# Altium PCB RK_NVR_DEMO1_RK3588_LP4XD200P232SD8_V21_20211228_final_lint.PcbDoc (part 14 of 29)
Units mm, origin at the board's own origin, x right, y up, seen from the top; angles counter-clockwise.
Board outline 170.08 x 169.98 mm, 8 copper layers (TOP, L2-GND1, L3-POWER1, L4-S1, L5-GND2, L6-S2, L7-GND3, BOTTOM), stack 2.118 mm thick; 1650 components, 1119 nets, 6165 pads, 15417 vias.
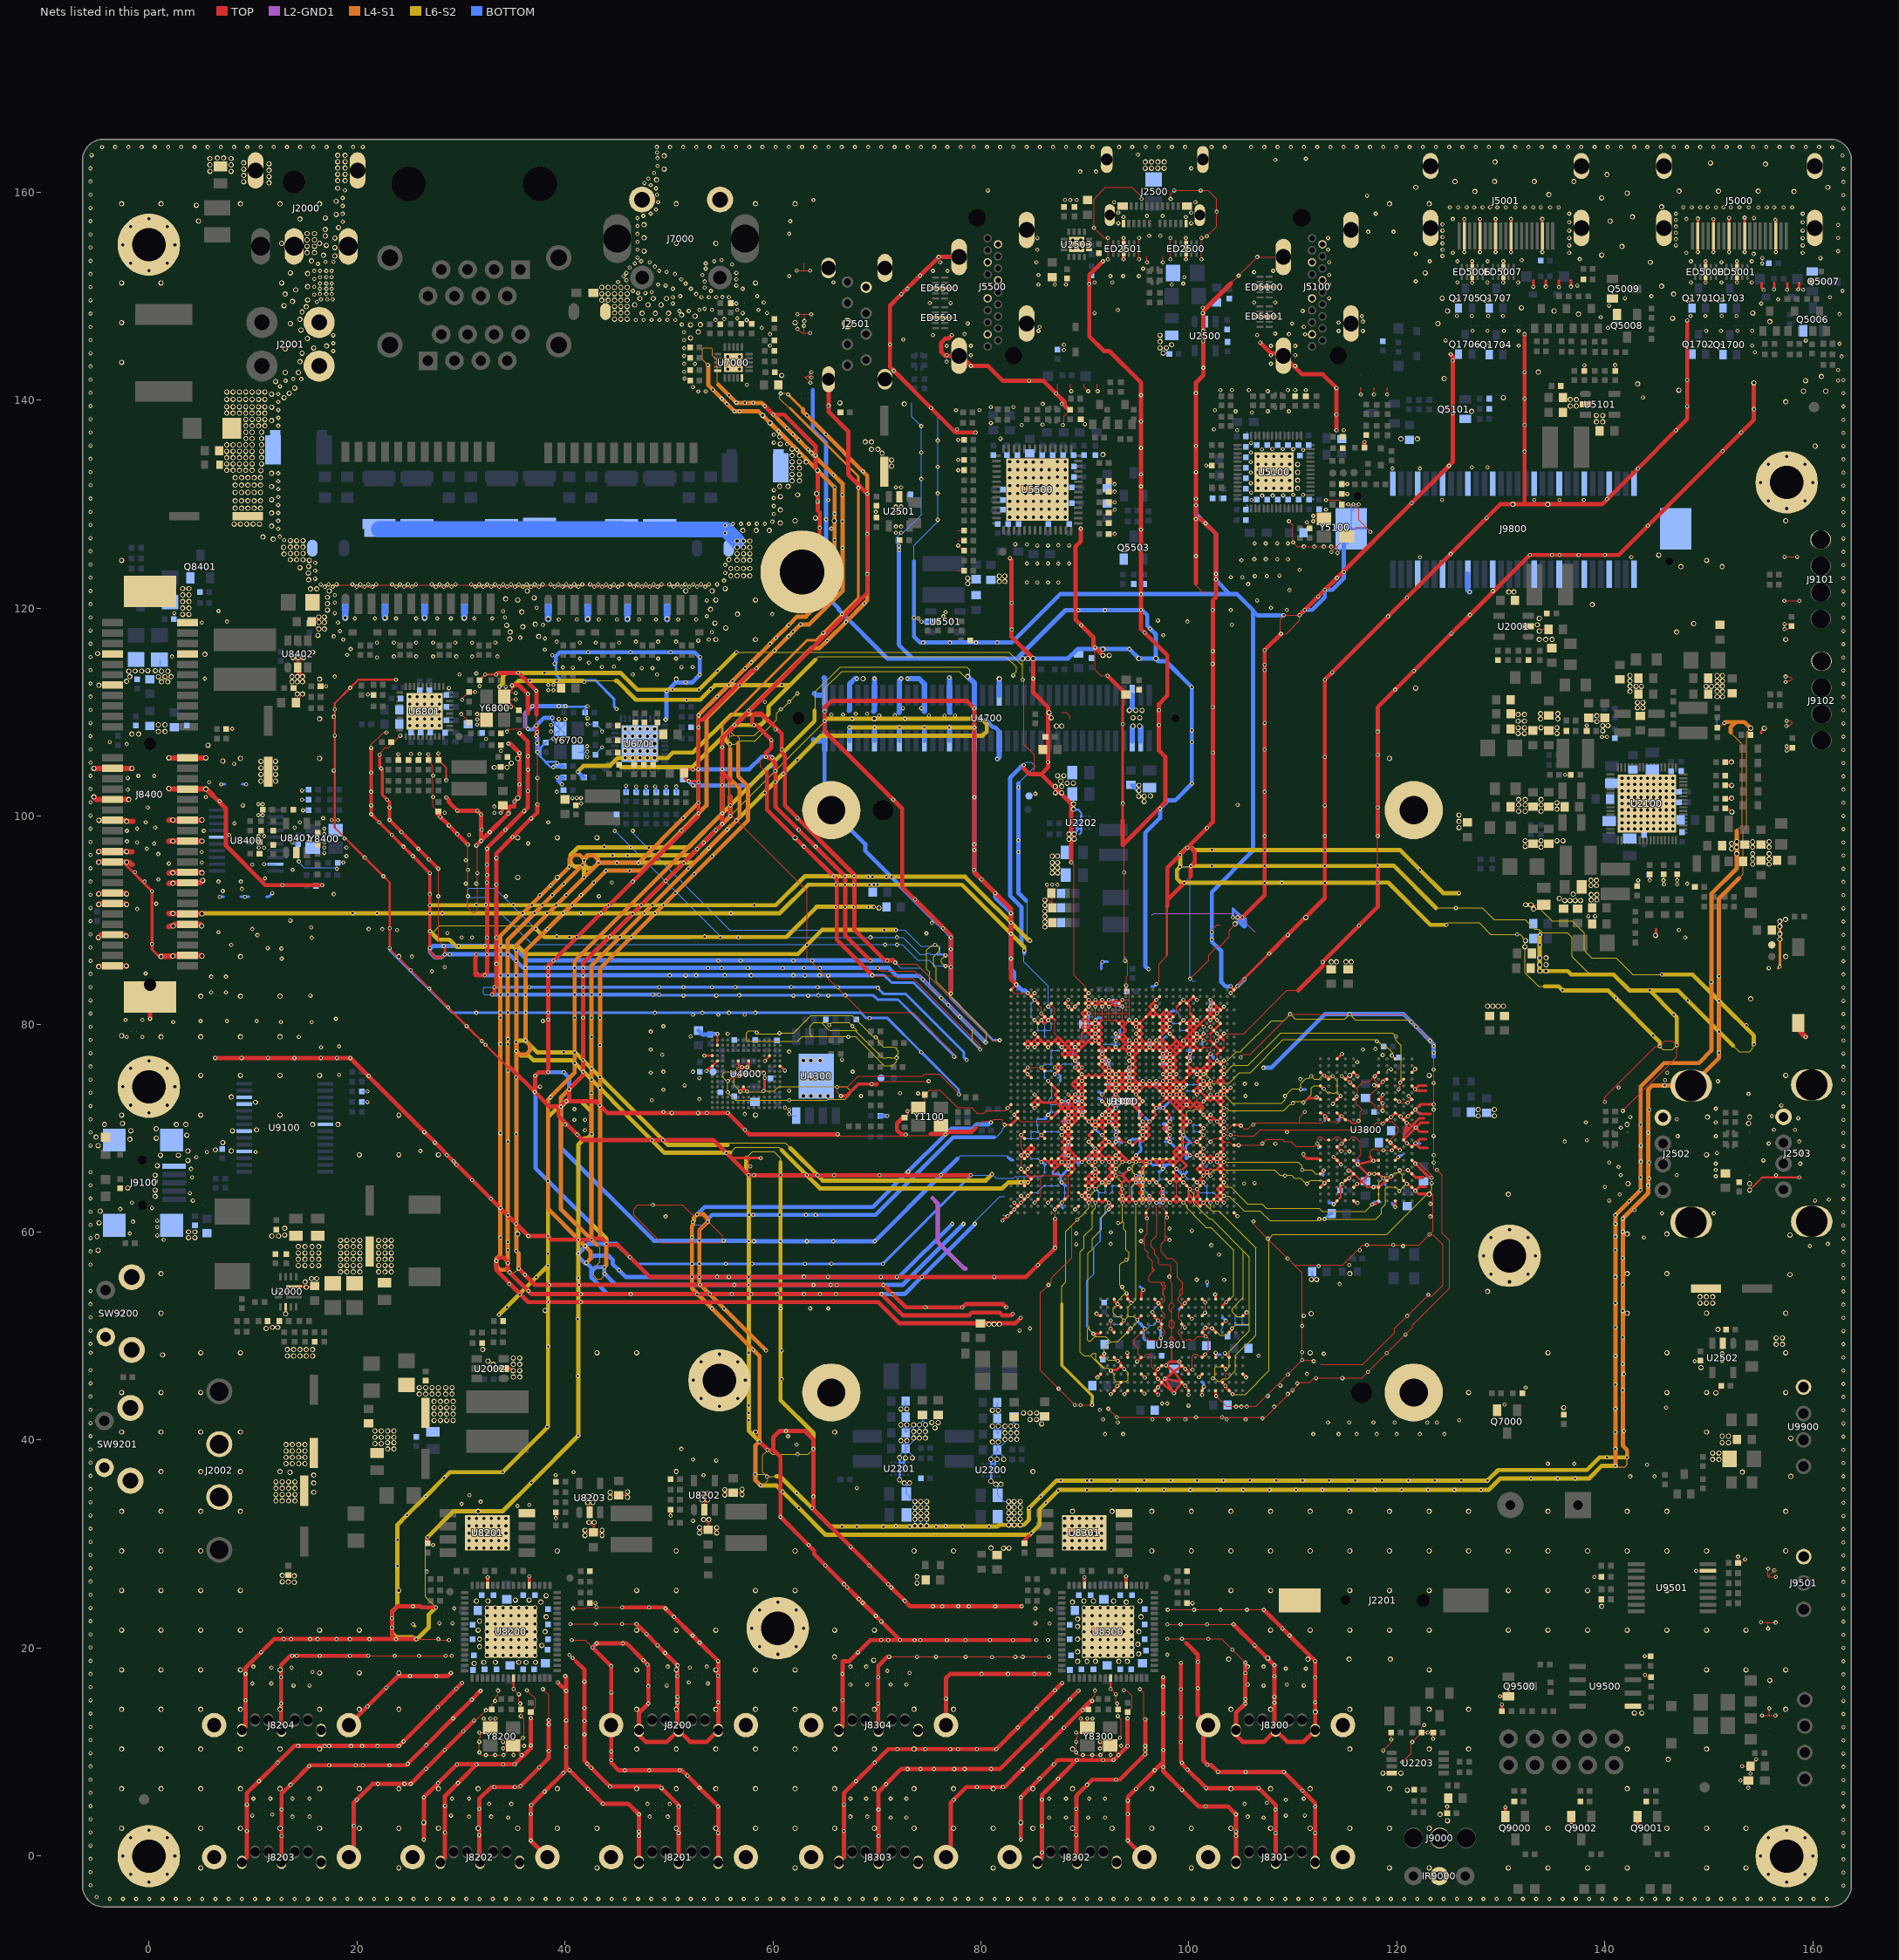
[diagram p20: the nets of this part, all layers, seen from the top]

## Via types
v1: diameter 0.4, hole 0.2, TOP to BOTTOM, 1688 vias
v2: diameter 0.4/0.4 (per signal layer), hole 0.2, TOP to L2-GND1, 1605 vias
v3: diameter 0/0/0/0/0/0/0/0.4 (per signal layer), hole 0.2, TOP to BOTTOM, 1253 vias
v4: diameter 0.4/0/0/0/0/0/0/0 (per signal layer), hole 0.2, TOP to BOTTOM, 1253 vias
v5: diameter 0.5, hole 0.3, TOP to BOTTOM, 857 vias
v6: diameter 0.4/0.4/0.4/0.4/0.4 (per signal layer), hole 0.2, L4-S1 to BOTTOM, 836 vias
v7: diameter 0/0/0/0/0/0/0/0.5 (per signal layer), hole 0.3, TOP to BOTTOM, 772 vias
v8: diameter 0.5/0/0/0/0/0/0/0 (per signal layer), hole 0.3, TOP to BOTTOM, 772 vias
v9: diameter 0.5/0.5 (per signal layer), hole 0.3, TOP to L2-GND1, 766 vias
v10: diameter 0.4/0.4 (per signal layer), hole 0.2, L7-GND3 to BOTTOM, 611 vias
v11: diameter 0.4/0.4/0.4/0.4 (per signal layer), hole 0.2, L5-GND2 to BOTTOM, 579 vias
v12: diameter 0.4 (per signal layer), hole 0.2, L6-S2 to L6-S2, 535 vias
v13: diameter 0.5/0.5/0.5/0.5/0.5 (per signal layer), hole 0.3, L4-S1 to BOTTOM, 457 vias
v14: diameter 0.5/0.5/0.5/0.5 (per signal layer), hole 0.3, L5-GND2 to BOTTOM, 455 vias
v15: diameter 0.4 (per signal layer), hole 0.2, L5-GND2 to L5-GND2, 418 vias
v16: diameter 0.5/0.5/0.5 (per signal layer), hole 0.3, TOP to L3-POWER1, 306 vias
v17: diameter 0.4 (per signal layer), hole 0.2, L4-S1 to L4-S1, 300 vias
v18: diameter 0.4/0.4/0.4 (per signal layer), hole 0.2, TOP to L3-POWER1, 287 vias
v19: diameter 0.5 (per signal layer), hole 0.3, L3-POWER1 to L3-POWER1, 242 vias
v20: diameter 0.5 (per signal layer), hole 0.3, L4-S1 to L4-S1, 240 vias
v21: diameter 0.5/0.5 (per signal layer), hole 0.3, L7-GND3 to BOTTOM, 192 vias
v22: diameter 0.5 (per signal layer), hole 0.3, L6-S2 to L6-S2, 166 vias
v23: diameter 0.4/0.4/0.4/0.4/0.4 (per signal layer), hole 0.2, TOP to L5-GND2, 134 vias
v24: diameter 0.5 (per signal layer), hole 0.3, L5-GND2 to L5-GND2, 114 vias
v25: diameter 0.5/0.5 (per signal layer), hole 0.3, L3-POWER1 to L4-S1, 111 vias
v26: diameter 0.4 (per signal layer), hole 0.2, L3-POWER1 to L3-POWER1, 93 vias
v27: diameter 0.4/0.4 (per signal layer), hole 0.2, L4-S1 to L5-GND2, 59 vias
v28: diameter 0.4/0.4/0/0/0.4/0/0.4/0.4 (per signal layer), hole 0.2, TOP to BOTTOM, 56 vias
v29: diameter 0.4/0/0/0.4/0/0/0/0.4 (per signal layer), hole 0.2, TOP to BOTTOM, 51 vias
v30: diameter 0.5/0.5 (per signal layer), hole 0.3, L4-S1 to L5-GND2, 46 vias
v31: diameter 0.4/0/0/0/0/0.4/0/0.4 (per signal layer), hole 0.2, TOP to BOTTOM, 42 vias
v32: diameter 0.5/0.5/0.5/0.5/0.5 (per signal layer), hole 0.3, TOP to L5-GND2, 32 vias
v33: diameter 0.4/0.4 (per signal layer), hole 0.2, L3-POWER1 to L4-S1, 29 vias
v34: diameter 0.4/0/0.4/0/0/0/0/0.4 (per signal layer), hole 0.2, TOP to BOTTOM, 29 vias
v35: diameter 0.4/0.4/0/0/0.4/0.4/0.4/0.4 (per signal layer), hole 0.2, TOP to BOTTOM, 21 vias
v36: diameter 0.5/0.5/0.5/0/0.5/0.5/0.5/0.5 (per signal layer), hole 0.3, TOP to BOTTOM, 4 vias
v37: diameter 0.5/0.5/0/0.5/0.5/0.5/0.5/0.5 (per signal layer), hole 0.3, TOP to BOTTOM, 3 vias
v38: diameter 0.4/0/0.4/0.4/0/0/0/0.4 (per signal layer), hole 0.2, TOP to BOTTOM, 2 vias
v39: diameter 0.4/0.4/0.4/0/0.4/0/0.4/0.4 (per signal layer), hole 0.2, TOP to BOTTOM, 1 vias

## Nets (pads, with @x,y where several pads share a name; then routed paths per layer and width w, separated by ;. In a path a pad name is that pad's centre, name@x,y a point inside that pad or via, vN(x,y) a via of type N, cw(c..) or ccw(c..) an arc to the next point about the centre after c; other vN are vias at no path point) (continued)
GND: (continued)
  other v1: -3.766,-4.119 -2.496,-4.119 -1.226,-4.119 0.044,-4.119 1.314,-4.119 2.584,-4.119 3.854,-4.119 5.124,-4.119 6.394,-4.119 7.664,-4.119 8.934,-4.119 10.204,-4.119 11.474,-4.119 12.744,-4.119 14.014,-4.119 15.284,-4.119 16.554,-4.119 17.824,-4.119 19.094,-4.119 20.364,-4.119 21.634,-4.119 22.904,-4.119 24.174,-4.119 25.444,-4.119 26.714,-4.119 27.984,-4.119 29.254,-4.119 30.524,-4.119 31.794,-4.119 33.064,-4.119 34.334,-4.119 35.604,-4.119 36.874,-4.119 38.144,-4.119 39.414,-4.119 40.684,-4.119 41.954,-4.119 43.224,-4.119 44.494,-4.119 45.764,-4.119 47.034,-4.119 48.304,-4.119 49.574,-4.119 50.844,-4.119 52.114,-4.119 53.384,-4.119 54.654,-4.119 55.924,-4.119 57.194,-4.119 58.464,-4.119 59.734,-4.119 61.004,-4.119 62.274,-4.119 63.544,-4.119 64.814,-4.119 66.084,-4.119 67.354,-4.119 68.624,-4.119 69.894,-4.119 71.164,-4.119 72.434,-4.119 73.704,-4.119 74.974,-4.119 76.244,-4.119 77.514,-4.119 78.784,-4.119 80.054,-4.119 81.324,-4.119 82.594,-4.119 83.864,-4.119 85.134,-4.119 86.404,-4.119 87.674,-4.119 88.944,-4.119 90.214,-4.119 91.484,-4.119 92.754,-4.119 94.024,-4.119 95.294,-4.119 96.564,-4.119 97.834,-4.119 99.104,-4.119 100.374,-4.119 101.644,-4.119 102.914,-4.119 104.184,-4.119 105.454,-4.119 106.724,-4.119 107.994,-4.119 109.264,-4.119 110.534,-4.119 111.804,-4.119 113.074,-4.119 114.344,-4.119 115.614,-4.119 116.884,-4.119 118.154,-4.119 119.424,-4.119 120.694,-4.119 121.964,-4.119 123.234,-4.119 124.504,-4.119 125.774,-4.119 127.044,-4.119 128.314,-4.119 129.584,-4.119 130.854,-4.119 132.124,-4.119 133.394,-4.119 134.664,-4.119 135.934,-4.119 137.204,-4.119 138.474,-4.119 139.744,-4.119 141.014,-4.119 142.284,-4.119 143.554,-4.119 144.824,-4.119 146.094,-4.119 147.364,-4.119 148.634,-4.119 149.904,-4.119 151.174,-4.119 152.444,-4.119 153.714,-4.119 154.984,-4.119 156.254,-4.119 157.524,-4.119 158.794,-4.119 160.064,-4.119 161.334,-4.119 -5.021,-3.928 162.934,-2.849 -5.62,-2.807 162.934,-1.579 -5.62,-1.537 162.934,-0.309 -5.62,-0.267 162.934,0.961 -5.62,1.003 162.934,2.231 -5.62,2.273 162.934,3.501 -5.62,3.543 34.535,3.696 71.315,3.696 72.839,3.696 86.555,3.696 88.18,3.696 90.314,3.696 91.939,3.696 107.179,3.696 13.809,3.798 15.435,3.798 30.776,3.798 32.91,3.798 48.15,3.798 49.877,3.798 67.454,3.798 69.079,3.798 105.655,3.798 9.948,3.899 29.049,3.899 109.313,3.899 111.142,3.899 11.879,4.001 162.934,4.771 -5.62,4.813 32.707,5.017 34.84,5.017 47.947,5.017 50.08,5.017 105.351,5.017 107.484,5.119 109.313,5.423 10.05,5.525 11.675,5.525 13.809,5.525 15.435,5.525 29.151,5.525 30.776,5.525 67.454,5.525 68.978,5.525 71.315,5.525 72.839,5.525 86.555,5.525 88.18,5.525 90.415,5.525 91.939,5.525 111.04,5.525 162.934,6.041 -5.62,6.083 162.934,7.311 -5.62,7.353 162.934,8.581 -5.62,8.623 162.934,9.851 -5.62,9.893 162.934,11.121 -5.62,11.163 162.934,12.391 -5.62,12.433 162.934,13.661 -5.62,13.703 162.934,14.931 -5.62,14.973 162.934,16.201 -5.62,16.243 13.911,16.396 15.435,16.396 49.775,16.396 9.948,16.599 11.777,16.599 162.934,17.471 -5.62,17.513 15.739,17.717 11.777,18.123 13.707,18.123 10.05,18.225 49.877,18.225 162.934,18.741 -5.62,18.783 162.934,20.011 -5.62,20.053 162.934,21.281 -5.62,21.323 162.934,22.551 -5.62,22.593 162.934,23.821 -5.62,23.863 162.934,25.091 -5.62,25.133 162.934,26.361 -5.62,26.403 138.98,26.861 26.712,27.369 162.934,27.631 -5.62,27.673 162.934,28.901 -5.62,28.943 27.322,29.909 162.934,30.171 -5.62,30.213 162.934,31.441 -5.62,31.483 162.934,32.711 -5.62,32.753 162.934,33.981 -5.62,34.023 162.934,35.251 -5.62,35.293 162.934,36.521 -5.62,36.563 162.934,37.791 -5.62,37.833 162.934,39.061 -5.62,39.103 162.934,40.331 -5.62,40.373 162.934,41.601 -5.62,41.643 122.927,41.694 123.842,41.694 125.975,41.898 162.934,42.871 -5.62,42.913 162.934,44.141 -5.62,44.183 132.376,45.047 141.012,45.352 162.934,45.411 -5.62,45.453 60.85,45.86 141.825,46.368 162.934,46.681 -5.62,46.723 148.632,47.587 162.934,47.951 -5.597,48.4 60.85,48.603 162.934,49.221 -5.62,49.263 162.934,50.491 -5.62,50.533 41.241,51.651 162.934,51.761 -5.62,51.803 60.748,52.667 63.593,52.667 65.32,52.667 162.934,53.031 -5.62,53.073 162.934,54.301 -5.62,54.343 66.133,54.903 162.934,55.571 54.652,55.715 62.983,55.715 162.934,56.841 -5.62,56.883 162.934,58.111 -5.62,58.153 1.414,59.271 162.934,59.381 -5.62,59.423 143.756,59.474 141.012,59.576 0.804,59.678 -1.837,59.881 0.804,60.49 162.934,60.651 -5.62,60.693 -1.533,60.998 0.804,61.1 145.483,61.811 150.461,61.811 162.934,61.921 -5.62,61.963 142.841,62.116 -2.752,62.218 0.296,62.319 -1.634,62.827 140.403,63.03 162.934,63.191 -5.62,63.233 141.419,63.64 139.996,64.351 162.934,64.461 -5.62,64.503 144.264,65.164 150.664,65.367 141.52,65.469 146.905,65.469 162.934,65.731 -5.62,65.773 150.664,65.977 141.317,66.282 150.664,66.586 140.403,66.688 144.264,66.688 143.451,66.79 162.934,67.001 147.007,67.501 150.766,67.602 162.934,68.271 -5.62,68.313 143.451,68.314 136.136,68.72 138.269,68.822 147.007,69.228 150.664,69.228 162.934,69.541 -5.62,69.583 41.927,69.787 141.52,70.041 138.168,70.549 150.664,70.549 41.927,70.803 162.934,70.811 -5.62,70.853 146.905,70.854 142.435,71.057 49.471,71.565 144.264,71.768 40.911,71.819 162.934,72.081 -5.62,72.123 48.353,72.683 52.925,72.784 162.934,73.351 -5.62,73.393 49.471,73.699 37.609,73.978 51.503,74.105 150.868,74.511 145.788,74.613 162.934,74.621 -5.62,74.663 52.925,74.816 48.251,75.324 49.471,75.426 52.315,75.426 162.934,75.891 -5.62,75.933 162.934,77.161 -5.62,77.203 150.969,77.254 162.934,78.431 -5.62,78.473 -2.142,78.779 -0.618,78.779 162.934,79.701 -5.62,79.743 153.611,79.896 -2.244,80.404 -0.618,80.404 162.934,80.971 -5.62,81.013 162.934,82.241 -5.62,82.283 51.401,82.741 54.551,82.741 162.934,83.511 -5.62,83.553 51.401,83.554 56.379,83.554 51.604,84.671 162.934,84.781 -5.62,84.823 -0.313,84.875 155.744,85.382 162.934,86.051 -5.62,86.093 162.934,87.321 -5.62,87.363 53.433,88.431 162.934,88.591 -5.62,88.633 162.934,89.861 -5.62,89.903 -1.126,91.072 162.934,91.131 -5.62,91.173 0.703,91.58 162.934,92.401 -5.62,92.443 145.679,93.443 146.954,93.441 147.921,93.51 162.934,93.671 -5.62,93.713 -0.415,93.714 0.906,93.917 -1.329,94.628 162.934,94.941 -5.62,94.983 162.934,96.211 -5.62,96.253 0.906,96.355 -0.212,96.863 0.499,97.371 -1.126,97.473 162.934,97.481 -5.62,97.523 -2.117,97.574 -2.117,98.59 162.934,98.751 -5.62,98.793 -1.126,98.794 0.601,98.895 -0.313,99.403 162.934,100.021 -5.62,100.063 -0.11,100.826 162.934,101.291 -5.62,101.333 -1.025,102.248 0.499,102.248 -2.041,102.553 162.934,102.561 -5.62,102.603 -2.041,103.67 162.934,103.831 -5.62,103.873 -1.025,103.874 0.499,103.874 17.771,104.382 162.934,105.101 -5.62,105.143 33.852,106.287 162.934,106.371 -5.62,106.413 -2.142,106.922 -3.768,107.125 32.427,107.404 162.934,107.641 -5.62,107.683 162.934,108.911 -5.62,108.953 17.771,109.563 162.934,110.181 -5.62,110.223 162.934,111.451 -5.62,111.493 21.063,111.697 36.44,111.748 38.396,112.103 38.904,112.103 38.396,112.611 38.904,112.611 162.934,112.721 -5.62,112.763 17.873,113.424 46.524,113.627 31.487,113.729 162.934,113.991 -5.62,114.033 162.934,115.261 -5.62,115.303 162.934,116.531 -5.62,116.573 38.091,117.082 35.704,117.158 17.771,117.285 18.381,117.793 162.934,117.801 -5.62,117.843 37.888,118.403 18.178,118.606 39.412,118.91 41.139,118.91 43.273,118.911 45,118.91 47.134,118.91 48.759,118.91 50.893,118.91 52.62,118.91 19.803,119.012 21.734,119.012 23.766,119.012 25.696,119.012 27.728,119.012 29.049,119.012 31.284,119.012 33.011,119.012 162.934,119.071 -5.62,119.113 34.231,119.114 53.636,119.215 17.873,119.52 34.053,119.698 37.279,120.028 162.934,120.341 -5.62,120.383 17.873,120.536 53.636,120.739 17.873,121.247 162.934,121.611 -5.62,121.653 16.915,122.06 51.205,122.06 51.967,122.06 52.729,122.06 53.491,122.06 16.522,122.289 17.284,122.289 18.046,122.289 19.57,122.289 20.332,122.289 21.094,122.289 21.856,122.289 23.38,122.289 24.142,122.289 24.904,122.289 25.666,122.289 27.19,122.289 27.952,122.289 28.714,122.289 29.476,122.289 31,122.289 31.762,122.289 32.524,122.289 33.286,122.289 34.048,122.289 34.81,122.289 35.572,122.289 36.334,122.289 37.096,122.289 37.858,122.289 38.62,122.289 39.382,122.289 40.144,122.289 40.906,122.289 41.668,122.289 42.43,122.289 43.192,122.289 43.954,122.289 44.716,122.289 45.478,122.289 46.24,122.289 47.002,122.289 47.764,122.289 48.526,122.289 49.288,122.289 50.05,122.289 50.812,122.289 51.574,122.289 52.336,122.289 53.098,122.289 53.86,122.289 54.622,122.289 105.706,122.314 84.421,122.467 85.437,122.467 86.453,122.467 87.444,122.467 55.295,122.648 15.993,122.837 162.934,122.881 -5.62,122.923 104.03,122.975 105.148,122.975 106.341,123.076 107.484,123.076 108.703,123.127 55.414,123.4 15.993,123.599 110.634,123.686 162.934,124.151 55.414,124.162 -5.62,124.193 84.421,124.295 85.437,124.295 86.453,124.295 87.444,124.295 88.485,124.295 15.993,124.361 105.046,124.6 106.291,124.702 107.383,124.702 108.5,124.702 109.516,124.702 122.216,124.905 162.934,125.421 -5.62,125.463 85.437,126.023 86.453,126.023 88.485,126.023 87.444,126.048 84.421,126.124 83.304,126.15 106.316,126.226 107.383,126.226 108.5,126.226 109.516,126.226 12.996,126.53 162.934,126.691 -5.62,126.733 12.586,126.886 55.414,127.21 12.437,127.633 162.934,127.961 55.414,127.972 -5.62,128.003 56.164,128.105 56.926,128.105 57.688,128.105 58.45,128.105 59.212,128.105 59.945,128.314 12.437,128.395 60.088,129.063 12.437,129.157 162.934,129.231 -5.62,129.273 60.088,129.825 12.437,129.919 162.934,130.501 -5.62,130.543 60.088,130.587 12.437,130.681 60.088,131.349 12.437,131.443 162.934,131.771 -5.62,131.813 12.437,132.205 12.437,132.967 162.934,133.041 -5.62,133.083 162.934,134.311 -5.62,134.353 63.39,135.268 162.934,135.581 -5.62,135.623 61.358,135.776 60.088,135.921 62.475,136.182 60.088,136.683 162.934,136.851 -5.62,136.893 61.358,137.3 12.437,137.539 162.934,138.121 -5.62,138.163 12.437,138.301 56.278,138.926 77.614,139.027 12.437,139.063 162.934,139.391 -5.62,139.433 55.567,139.637 56.481,139.764 12.437,139.825 55.087,140.145 12.437,140.587 162.934,140.661 -5.62,140.703 52.823,140.837 53.535,140.837 103.014,140.958 54.224,141.008 52.315,141.262 12.604,141.331 57.497,141.466 13.142,141.869 162.426,141.88 162.934,141.931 -5.62,141.973 13.889,142.024 14.651,142.024 51.503,142.075 51.452,142.729 162.426,142.896 -5.62,143.243 51.452,143.491 52.519,143.498 76.699,143.701 162.755,144.209 51.452,144.253 76.7,144.311 79.036,144.311 -5.62,144.513 17.721,144.713 87.977,144.818 51.452,145.015 76.7,145.225 79.036,145.225 107.891,145.225 110.228,145.225 59.707,145.25 127.282,145.25 128.705,145.25 130.284,145.25 131.707,145.25 149.736,145.25 151.158,145.25 152.738,145.25 154.16,145.25 87.977,145.326 162.551,145.428 17.721,145.475 101.376,145.662 124.68,145.733 159.3,145.733 -5.62,145.783 51.452,145.777 72.534,145.834 101.376,146.17 17.721,146.237 75.379,146.241 106.57,146.241 59.732,146.342 78.427,146.343 109.618,146.343 108.302,146.392 51.452,146.539 85.539,146.647 114.393,146.647 116.73,146.647 101.376,146.678 127.282,146.673 128.705,146.673 130.284,146.673 131.707,146.673 149.736,146.673 151.158,146.673 152.738,146.673 154.16,146.673 58.919,146.952 -5.62,147.053 85.64,147.054 111.04,147.054 51.238,147.271 78.731,147.359 109.923,147.359 114.393,147.46 116.73,147.562 57.471,147.696 46.808,147.714 47.57,147.714 48.332,147.714 49.094,147.714 49.856,147.714 50.618,147.714 54.484,147.729 55.317,147.811 56.583,147.866 116.628,148.07 125.782,148.095 127.205,148.095 128.785,148.095 130.207,148.095 148.236,148.095 149.658,148.095 151.238,148.095 152.661,148.095 162.551,148.273 -5.62,148.323 57.091,148.374 59.427,148.374 101.338,148.375 50.995,148.578 51.909,148.578 110.939,148.578 52.925,148.679 54.144,148.679 56.583,148.679 58.615,148.679 93.159,148.679 53.433,148.781 101.338,148.883 50.385,149.289 56.481,149.289 75.083,149.351 77.09,149.338 59.123,149.39 106.265,149.39 108.297,149.39 16.157,149.426 -5.62,149.593 125.704,149.619 127.205,149.619 128.785,149.619 130.207,149.619 148.157,149.619 149.658,149.619 151.238,149.619 152.661,149.619 16.552,149.695 17.162,149.695 17.67,149.695 113.479,149.797 50.385,149.898 53.128,149.898 53.839,149.898 54.551,149.898 55.16,149.909 55.77,149.898 161.637,149.899 51.096,150 58.513,150 15.892,150.14 16.451,150.203 17.06,150.203 17.568,150.203 52.62,150.203 47.032,150.305 47.743,150.305 48.353,150.406 46.524,150.508 54.043,150.508 162.856,150.508 159.072,150.61 16.451,150.711 17.06,150.711 17.568,150.711 50.385,150.711 52.112,150.711 57.091,150.711 72.94,150.711 53.433,150.813 -5.62,150.863 15.892,150.902 49.674,151.016 56.481,151.016 48.963,151.118 85.539,151.118 98.34,151.118 113.479,151.118 16.451,151.219 17.06,151.219 17.568,151.219 51.604,151.219 99.458,151.219 65.828,151.321 92.651,151.321 125.811,151.321 128.719,151.321 131.658,151.316 148.264,151.321 151.211,151.321 154.111,151.316 45.103,151.369 53.433,151.422 121.81,151.423 45.915,151.524 51.198,151.626 56.481,151.626 15.892,151.664 16.451,151.829 17.06,151.829 17.568,151.829 99.56,151.829 45.642,151.908 61.561,151.93 92.448,151.931 93.667,151.931 95.191,151.931 53.23,152.032 85.539,152.032 113.479,152.032 -5.62,152.133 50.588,152.134 45.915,152.235 56.481,152.235 106.26,152.313 49.775,152.337 15.892,152.426 16.451,152.438 17.06,152.438 17.568,152.438 49.064,152.438 75.379,152.439 76.801,152.439 108.094,152.438 53.535,152.642 95.597,152.642 46.219,152.743 48.658,152.845 56.075,153.048 16.246,153.101 46.727,153.15 53.535,153.15 155.135,153.15 48.15,153.251 76.09,153.251 85.335,153.251 113.479,153.251 151.211,153.251 16.981,153.302 17.743,153.302 47.337,153.353 54.347,153.353 123.156,153.353 125.811,153.353 128.719,153.353 148.264,153.353 154.111,153.353 -5.62,153.403 55.059,153.454 131.995,153.455 137.583,153.556 155.135,153.658 160.723,153.658 46.981,153.701 124.375,153.861 121.81,154.064 154.304,154.064 125.373,154.166 136.567,154.166 147.827,154.166 159.021,154.166 162.426,154.326 46.981,154.463 85.437,154.471 113.377,154.471 124.375,154.471 -5.62,154.673 136.567,154.877 146.829,154.877 159.021,154.877 124.375,155.08 46.981,155.225 146.829,155.487 85.437,155.588 113.377,155.588 136.567,155.588 159.021,155.588 162.426,155.596 124.375,155.69 96.181,155.817 -5.62,155.943 46.981,155.987 61.561,155.994 146.829,156.096 117.238,156.198 119.676,156.198 124.375,156.299 136.567,156.299 159.021,156.299 146.829,156.706 46.981,156.749 162.426,156.866 124.375,156.909 93.21,157.011 100.22,157.011 136.567,157.112 159.021,157.112 18.635,157.156 -5.62,157.213 61.663,157.214 146.829,157.315 125.373,157.417 147.827,157.417 46.981,157.511 154.329,157.519 93.718,157.62 99.712,157.62 47.54,157.722 18.635,157.918 48.251,157.925 117.949,157.925 136.567,157.925 146.829,157.925 159.021,157.925 93.21,158.027 100.22,158.027 48.759,158.331 162.934,158.441 -5.62,158.483 125.086,158.535 125.899,158.535 126.712,158.535 127.423,158.535 128.236,158.535 128.947,158.535 129.658,158.535 130.471,158.535 131.386,158.535 132.3,158.535 133.113,158.535 133.824,158.535 134.738,158.535 135.551,158.534 147.54,158.535 148.353,158.535 149.166,158.535 149.877,158.535 150.69,158.535 151.401,158.535 152.112,158.535 152.925,158.535 153.839,158.535 154.754,158.535 155.566,158.535 156.278,158.535 157.192,158.535 158.005,158.534 18.635,158.68 48.963,159.042 92.803,159.043 100.626,159.043 63.898,159.246 88.079,159.246 88.587,159.246 89.196,159.246 18.635,159.442 117.136,159.652 162.934,159.711 -5.62,159.753 48.861,159.754 80.662,160.16 18.848,160.174 48.759,160.363 48.251,160.668 47.642,160.871 162.934,160.981 -5.62,161.023 48.03,161.306 48.568,161.845 89.552,161.989 91.076,161.989 162.934,162.251 -5.62,162.293 100.22,162.294 48.912,162.525 108.297,163.107 111.243,163.208 48.912,163.287 162.85,163.518 -5.519,163.558 95.089,163.615 48.861,163.818 -4.506,164.324 -3.236,164.333 -1.966,164.333 -0.696,164.333 0.574,164.333 1.844,164.333 3.114,164.333 4.384,164.333 5.654,164.333 6.924,164.333 8.194,164.333 9.464,164.333 10.734,164.333 12.004,164.333 13.274,164.333 14.544,164.333 15.814,164.333 17.084,164.333 18.354,164.333 19.624,164.333 48.834,164.333 50.104,164.333 51.374,164.333 52.644,164.333 53.914,164.333 55.184,164.333 56.454,164.333 57.724,164.333 58.994,164.333 60.264,164.333 61.534,164.333 62.804,164.333 64.074,164.333 65.344,164.333 66.614,164.333 67.884,164.333 69.154,164.333 70.424,164.333 71.694,164.333 72.964,164.333 74.234,164.333 75.504,164.333 76.774,164.333 78.044,164.333 79.314,164.333 80.584,164.333 81.854,164.333 83.124,164.333 84.394,164.333 85.664,164.333 86.934,164.333 88.204,164.333 89.474,164.333 90.744,164.333 93.284,164.333 94.554,164.333 95.824,164.333 97.094,164.333 98.364,164.333 99.634,164.333 102.174,164.333 103.444,164.333 105.984,164.333 107.254,164.333 108.524,164.333 109.794,164.333 111.064,164.333 112.334,164.333 113.604,164.333 114.874,164.333 116.144,164.333 117.414,164.333 118.684,164.333 119.954,164.333 121.224,164.333 122.494,164.333 123.764,164.333 125.034,164.333 126.304,164.333 127.574,164.333 128.844,164.333 130.114,164.333 131.384,164.333 132.654,164.333 133.924,164.333 135.194,164.333 136.464,164.333 137.734,164.333 139.004,164.333 140.274,164.333 141.544,164.333 142.814,164.333 144.084,164.333 145.354,164.333 146.624,164.333 147.894,164.333 149.164,164.333 150.434,164.333 151.704,164.333 152.974,164.333 154.244,164.333 155.514,164.333 156.784,164.333 158.054,164.333 159.324,164.333 160.594,164.333 161.864,164.318 20.565,164.353